# KiCad board KB-PCB-R02_KiCad.kicad_pcb (continued)
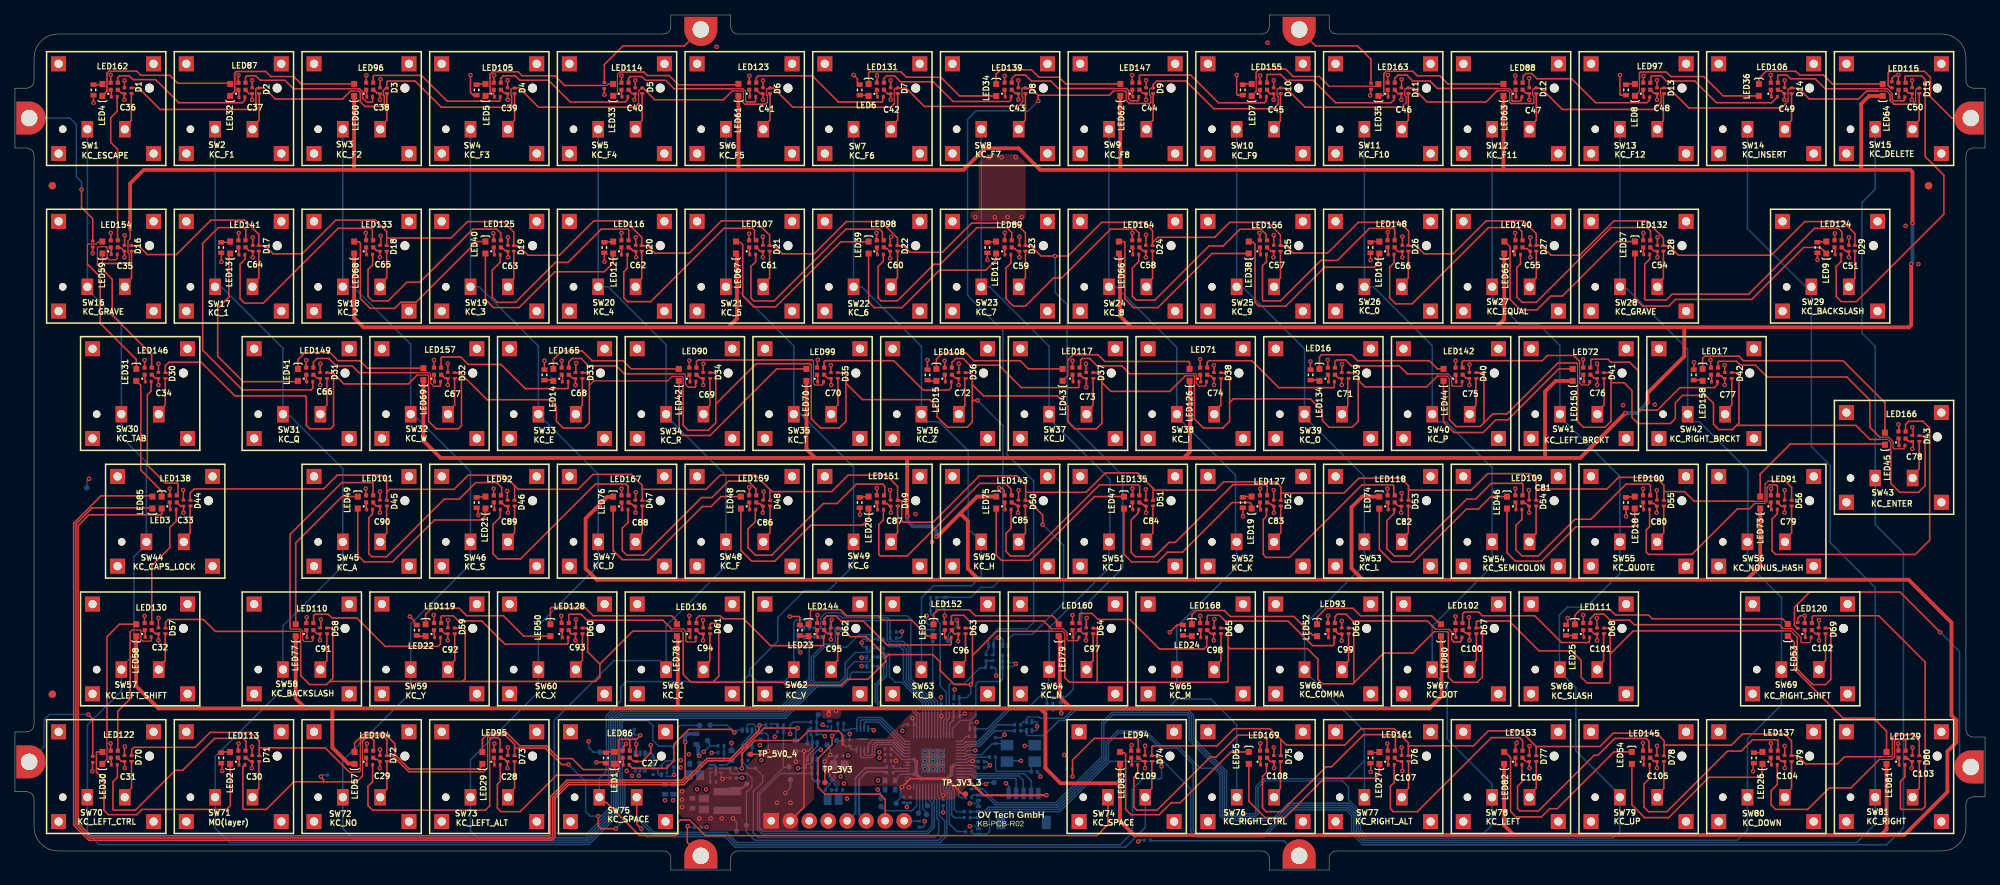
[diagram p0: board, top side]
## Routing (per net, layer and track width the routed paths; a pad name or vN(x,y) marks a point on that pad's centre or on a via; arc(x,y) is an arc through that point) (continued)
  SIG_BOTTOM w0.2: Q4.2 87.8,12.52 88.01,12.74 ; v1(150.2,3.81) 150.31,3.81 150.51,4.01 R15.1 ; 130.77,28.81 R8.1 130.76,28.78 130.85,28.87 D96.2 130.85,30.73 131.1,30.98 131.39,30.98 v1(131.47,31.05) 131.55,30.98 131.94,30.98 132.1,30.82 D99.2 ; 123.19,35.09 R7.1 ; 123.19,35.09 124.01,35.09 124.3,34.81 ; 123.19,35.09 C113.2 ; v1(140.29,15.4) 140.6,15.08 R62.1 ; v1(128.59,19.79) 128.52,19.71 127.77,19.71 127.65,19.6 D88.2 ; 132.9,10.2 132.9,11.21 v1(132.5,11.61) ; v1(130.35,14) 130.35,14.05 129.97,14.43 129.67,14.43 C8.2 ; R66.1 88.11,13.8 88.11,12.75 ; 103.63,18.21 103.63,19.38 104.04,19.79 R52.1 ; C3.2 129.62,13.73 129.97,13.73 130.24,14 ; 128.83,5.89 D94.2 ; 128.83,5.89 127.67,5.89 v1(127.66,5.87) ; 128.83,5.89 D95.2 ; R58.1 93.98,15.68 93.17,15.68 v1(93.15,15.66) ; 125.54,23.11 125.59,23.16 125.59,24.09 v1(125.64,24.14) ; 108.72,19.21 108.7,19.23 108.29,19.23 108.09,19.42 v1(107.99,19.42) ; C112.2 138.77,22.25 138.77,21.43 R6.1 139.68,21.43 139.9,21.21 ; v1(89.01,14.69) 89.01,14.71 ; v1(124.1,7.71) C7.2 ; D93.2 128.83,8.91 128.82,8.91 ; 92.42,5.68 92.45,5.71 ; R3.1 118.33,31.02 118.6,31.28 v1(118.6,31.88) ; v1(105,29.11) 105,29.21 104.64,29.58 104.64,30.82 ; v1(121.62,6.54) 121.62,5.96 121.41,5.74 R49.2 ; D86.2 104.96,32.38 104.64,32.07 104.64,30.82 ; 128.82,8.91 D92.2 ; 128.82,8.91 v1(127.66,8.91) ; v1(123.8,23.11) 123.81,23.1 123.81,22.21 C9.2 ; D87.2 122.08,32.82 121.9,33.01 v1(121.9,34.01) ; v1(97.23,12.32) 97.22,12.31 96.4,12.31 C116.2 ; 119.25,9 C6.2 ; 119.25,9 C13.2 ; 119.25,9 v1(119.25,8.44) ; v1(78.81,103.68) 78.8,103.69 78.8,103.71 ; TP_GND_2.TP 115.74,9.67 115.74,10.3 115.36,10.68 v1(115.36,10.77) ; D97.2 139.9,22.38 139.9,21.21 ; v1(131.2,26) 131.2,26.78 130.92,27.07 130.56,27.07 C114.2 ; 104.64,30.82 104.98,31.17 D101.2 ; 91.64,5.66 91.67,5.68 ; v1(108.3,17.91) 108.19,17.91 107.94,18.16 C115.2 107.17,18.16 107.13,18.2 ; R5.1 132.84,27.84 132.93,27.75 133.55,27.75 133.72,27.58 v1(133.83,27.58) 133.83,27.55 133.51,27.23 132.93,27.23 132.84,27.14 C111.2 ; v1(127,20.91) 126.89,20.91 126.73,20.75 126.35,20.75 ; v1(111.6,18.21) 111.6,18.2 C18.2 ; v1(135,16.61) 136.25,16.61 XTAL1.4 136.26,16.79 ; J_IN1.4 108.73,7.09 ; 124.3,34.81 v1(124.3,34.01) 124.22,33.93 ; 124.3,34.81 124.3,35.71 D98.2 ; C25.2 95.81,16.99 v1(95.8,17.01) ; 139.9,21.21 v1(139.9,20.96) ; TP_GND_3.TP 130.11,11.7 129.91,11.51 v1(129.8,11.51) 129.77,11.53 128.85,11.53 D91.2 ; v1(125.94,33.42) 125.94,32.66 124.79,31.52 TP_GND.TP ; D85.2 108.99,33.19 109.2,33.4 v1(109.2,33.48) ; C14.2 118.92,19.48 118.64,19.2 v1(118.64,18.6) ; v1(9.89,52.31) 9.89,52.29 9.6,52 TP_GND_1.TP ; 103.6,18.15 v1(103.64,18.19) ; U3.4 114.51,18.9 114.71,18.7 v1(114.82,18.7) ; C16.2 131.86,17.7 132.26,18.11 v1(132.3,18.11) ; D90.2 136.54,18.64 136.66,18.77 136.66,19.2 v1(136.67,19.21) 136.63,19.24 136.63,19.72 136.52,19.84 D89.2 ; 101.91,18.45 R59.1 ; 113.9,28.36 113.85,28.41 v1(113.2,28.41) ; 91.7,5.73 92.45,5.73 ; XTAL1.2 132.75,14.61 v1(134.5,14.61) ; 136.69,13.2 136.69,13.07 136.77,12.98 136.89,12.98 137.02,12.85 137.02,12.58 v1(137.1,12.51) ; v1(107.76,16.08) 107.73,16.06 107.33,16.06 106.6,15.32 106.6,14.81 U7.2 106.56,14.77 106.56,14.32 106.45,14.21 106.26,14.21 106.26,14.21 105.82,14.21 105.7,14.09 R53.1 105.65,13.66 104.75,13.66 v1(104.7,13.61) ; TP_GND_4.TP 81.83,17.88 82.43,17.88 83.03,17.27 83.03,16.88 v1(83.07,16.84) ; U1.19 127.01,15.61 127.4,16.01 v1(128.4,16.01) ; D81.2 113.87,27.27 v1(113.2,27.27) ; D84.2 113.4,30.88 113.28,30.75 113.28,30.48 v1(113.2,30.41) 113.26,30.35 113.26,30.02 113.41,29.86 113.8,29.86 113.86,29.8 113.86,29.49 ; 126.34,20.55 R4.2 C110.2 ; 117.84,31.85 118.57,31.85
  vias: v1(57.87,67.71) v1(86.91,9.34) v1(88,9.34) v1(88.12,12.74) v1(89,13.71) v1(90.1,15.48) v1(91.2,10.81) v1(92.4,10.81) v1(92.48,5.75) v1(93.82,110.08) v1(98.17,85.11) v1(99.6,16.71) v1(99.8,14.71) v1(100,84.71) v1(101.6,17.84) v1(110.4,12.51) v1(110.83,11.56) v1(111.25,9.55) v1(111.4,15.31) v1(115.4,11.98) v1(115.59,15.76) v1(115.59,15.02) v1(120.4,47.61) v1(122.62,43.89) v1(167.48,110.63) v1(168.3,84.91) v1(185.5,84.71) v1(192.61,68.11) v1(215.01,62.17) v1(219.25,62.25) v1(245.2,84.6) v1(251.83,59.61) v1(252.78,86.13) v1(253.68,59.21) v1(254.5,81.03) v2(121.67,15.71) v2(121.67,14.61) v2(121.67,13.51) v2(122.77,15.71) v2(122.77,14.61) v2(122.77,13.51) v2(123.87,15.71) v2(123.87,14.61) v2(123.87,13.51)
/USB_BOOT: length 22.4
  SIG_TOP w0.2: v1(109.25,17.93) 109.25,16.78 107.36,14.88 107.36,11.11 108.31,10.16 115.65,10.16 116.35,9.46 J_IN1.7
  SIG_BOTTOM w0.2: v1(109.25,17.93) 109.36,17.93 110.02,18.6 R11.1 ; J_IN1.7 116.35,6.78
NetC17_1: length 8.1
  SIG_BOTTOM w0.2: 136.4,14.45 XTAL1.1 135.9,14.06 135.9,13.25 135.86,13.21 131.3,13.21 131.12,13.39 R9.2
NetC22_1: length 4.9
  SIG_BOTTOM w0.3: 93.7,12.71 93.7,13.88 93.52,14.06 U5.3 ; TP_SW.TP 97.81,11.49 97.25,10.94 95.6,10.94 95.25,10.59
NetC22_2: length 1.3
  SIG_BOTTOM w0.2: 92.97,11.79 92.97,13.03 92.99,13.06 U5.1
NetC25_1: length 1.7
  SIG_BOTTOM w0.2: C25.1 95.73,14.63 95.15,14.06 U5.6
NetD1_1: length 386.1
  SIG_TOP w0.15: 117.57,102.47 117.57,104.39 117.65,104.48 117.89,104.48 117.99,104.58 ; 83.75,104.56 83.39,104.21 83.39,102.52 ; 198.2,104.21 199.64,104.21 199.86,103.99 199.86,102.68 ; 66.75,104.51 66.44,104.51 66.32,104.39 66.32,103.62 66.4,103.55 ; 146.9,104.2 148.46,104.2 148.48,104.18 ; 186.2,104.6 186.1,104.5 185.91,104.5 185.82,104.41 185.82,103.59 186,103.41 186,102.61 185.4,102.01 ; 250.7,103.7 250.22,104.18 249.02,104.18 ; 220.09,102.63 220.09,103.54 220.01,103.62 220.01,104.44 220.12,104.56 D13.1 ; 253.73,102.4 254.12,102.8 254.12,104.36 254.25,104.48 254.52,104.48 D15.1 ; 44.87,104.17 45.94,104.17 ; D8.1 134.72,104.56 134.64,104.47 134.64,103.47 134.75,103.36 134.75,102.75 134.11,102.11 ; 97.39,102.58 97.39,104.07 97.29,104.17 95.9,104.17 ; 237.49,104.5 237.18,104.5 237.07,104.39 237.07,102.8 236.7,102.43 ; 168.89,102.41 168.89,103.41 168.76,103.54 168.76,104.39 168.87,104.51 169.1,104.51 ; 100.85,104.51 100.82,104.48 100.59,104.48 100.5,104.39 100.5,103.63 100.6,103.54 100.6,102.65 ; 152.1,104.51 151.81,104.51 151.7,104.39 151.7,103.62 151.86,103.46 151.86,102.62 ; 203.08,102.62 203.08,103.46 202.92,103.62 202.92,104.39 203.04,104.51 203.35,104.51
  SIG_TOP w0.2: 136.81,103.6 146.29,103.6 146.9,104.2 ; 136.81,103.6 135.9,104.51 135.2,104.51 D8.1 ; 136.81,103.6 v1(136.81,102.85) ; 198.2,104.21 196.7,102.71 188.8,102.71 186.95,104.56 D11.1 ; 253.73,102.4 251.22,102.4 250.7,102.92 250.7,103.7 ; 237.53,104.54 237.53,104.6 ; D8.1 D8.1 ; D8.1 135.2,104.61 ; 254.55,104.56 254.55,104.56 254.55,104.51 ; D6.1 101.45,104.56 104,102.01 117.1,102.01 117.57,102.47 ; 203.08,102.62 202.97,102.51 200.03,102.51 199.86,102.68 ; D14.1 238.45,104.55 239.9,103.11 246.5,103.11 247.55,104.16 249,104.16 249.02,104.18 ; 100.6,102.65 100.36,102.41 97.57,102.41 97.39,102.58 ; 66.82,104.58 D4.1 67.4,104.61 70,102.01 82.88,102.01 83.39,102.52 ; 66.75,104.51 D4.1 ; 49.68,104.6 49.68,104.51 49.51,104.51 49.26,104.26 49.26,103.63 49.39,103.49 49.39,102.22 49.27,102.11 46.8,102.11 46.18,102.73 46.18,103.94 45.94,104.17 ; 49.71,104.7 49.71,105.39 49.83,105.51 53.5,105.51 57,102.01 66.28,102.01 66.4,102.12 66.4,103.55 ; D15.1 D15.1 ; 148.48,104.18 148.6,104.07 148.6,102.91 149,102.51 151.75,102.51 151.86,102.62 ; D5.1 83.99,104.56 85.54,103.01 94.73,103.01 95.9,104.17 ; 220.09,102.63 219.17,101.71 206.9,101.71 204.05,104.56 D12.1 ; 168.89,102.41 168.28,101.81 160.28,101.81 156.58,105.51 152.67,105.51 152.17,105.01 D9.1 152.16,104.59 152.16,104.56 152.1,104.51 ; 236.7,102.43 236.17,101.91 223.8,101.91 221.15,104.56 D13.1 ; D7.1 119.15,104.56 121.6,102.11 134.11,102.11 ; 44.87,104.17 43.8,103.11 34.8,103.11 33.3,104.61 D2.1 32.65,104.6 32.6,104.55 32.33,104.55 32.18,104.4 32.18,103.62 32.22,103.59 32.22,101.82 32.1,101.71 19.4,101.71 16.5,104.61 D1.1 15.58,104.59 ; D10.1 169.95,104.56 172.5,102.01 185.4,102.01
  SIG_BOTTOM w0.2: R162.2 129.85,29.22 130.15,29.52 130.15,30.96 131.46,32.27 135.36,32.27 136.2,33.11 136.2,52.01 132.66,55.55 132.66,66.35 132.1,66.91 132.1,72.11 127.36,76.84 127.36,100.37 128.5,101.51 135.47,101.51 v1(136.81,102.85)
NetD1_2: length 5.2
  SIG_TOP w0.2: 15.56,103.87 15.56,100.26 14.69,99.38 SW1.2
NetD2_2: length 5.1
  SIG_TOP w0.2: SW2.2 31.76,99.38 32.65,100.28 D2.2
NetD3_2: length 5.2
  SIG_TOP w0.2: 49.71,103.9 49.71,100.26 48.83,99.38 SW3.2
NetD4_2: length 5
  SIG_TOP w0.2: SW4.2 65.91,99.38 66.8,100.28 66.8,103.71
NetD5_2: length 5.1
  SIG_TOP w0.2: D5.2 83.87,100.27 82.98,99.38 SW5.2
NetD6_2: length 5.1
  SIG_TOP w0.2: SW6.2 100.05,99.38 100.95,100.28 D6.2
NetD7_2: length 5.1
  SIG_TOP w0.2: D7.2 118.02,100.27 117.13,99.38 SW7.2
NetD8_2: length 5.2
  SIG_TOP w0.2: D8.2 D8.2 135.1,100.28 134.2,99.38 SW8.2
NetD9_2: length 5.2
  SIG_TOP w0.2: D9.2 D9.2 152.17,100.28 151.27,99.38 SW9.2
NetD10_2: length 5.2
  SIG_TOP w0.2: SW10.2 168.35,99.38 169.02,100.06 169.08,100.06 169.2,100.18 169.2,103.91
NetD11_2: length 5.2
  SIG_TOP w0.2: SW11.2 185.42,99.38 186.3,100.26 D11.2 D11.2
NetD12_2: length 5
  SIG_TOP w0.2: SW12.2 202.51,99.38 203.4,100.27 203.4,103.71
NetD13_2: length 5.1
  SIG_TOP w0.2: 220.4,103.81 220.4,100.2 219.59,99.38 SW13.2
NetD14_2: length 5.1
  SIG_TOP w0.2: 237.53,103.81 237.53,100.27 236.64,99.38 SW14.2
NetD15_2: length 5.1
  SIG_TOP w0.2: D15.2 254.6,100.27 253.72,99.38 SW15.2
NetD16_1: length 354.3
  SIG_TOP w0.2: D16.1 15.61,83.51 16.5,83.51 17.7,82.31 21.6,82.31 26.2,86.91 30.7,86.91 32.6,85.01 D17.1 D17.1 33.42,83.48 34.5,82.41 38.4,82.41 42.9,86.91 48.2,86.91 49.7,85.41 49.7,84.51 ; D29.1 246,85.11 244.4,86.71 239.3,86.71 234.8,82.21 222.4,82.21 221.12,83.48 220.4,83.48 D28.1 D28.1 220.4,84.54 218.13,86.81 213.8,86.81 209.2,82.21 205.4,82.21 204.07,83.53 D27.1 203.4,85.11 201.7,86.81 196.7,86.81 192.3,82.41 188.42,82.41 187.34,83.48 D26.1 186.33,83.52 186.33,85.43 185.15,86.61 179.6,86.61 175.5,82.51 170.9,82.51 169.97,83.43 169.25,83.43 D25.1 D25.1 ; 152.1,83.91 152.8,84.61 160.4,84.61 162.4,86.61 167.52,86.61 169.2,84.93 169.2,83.66 ; 152.1,83.91 152.1,85.51 151,86.61 145.3,86.61 140.8,82.11 137.2,82.11 135.87,83.43 135.15,83.43 D23.1 D23.1 135.1,85.21 133.8,86.51 127.9,86.51 124,82.61 119.7,82.61 118.82,83.48 D22.1 ; 152.1,83.91 152.1,83.56 ; 49.7,84.51 58.3,84.51 60.5,86.71 65.3,86.71 66.7,85.31 D19.1 D19.1 66.73,83.46 67.35,83.46 68.6,82.21 72.79,82.21 77.39,86.81 81.6,86.81 83.8,84.61 D20.1 D20.1 84.58,83.48 85.57,82.49 90.14,82.49 94.46,86.81 99,86.81 100.9,84.91 D21.1 D21.1 101.52,83.48 102.6,82.41 106.85,82.41 111.15,86.71 115.81,86.71 118,84.52 D22.1 ; 49.7,84.51 49.7,83.56 ; D24.1 152.16,83.48
  SIG_BOTTOM w0.2: v1(139.08,82.09) 139.08,77.22 140.67,75.63 140.67,60.17 148.1,52.75 148.1,40.41 142.6,34.91 142.6,32.48 141.5,31.38 141.5,24.18 140.43,23.11 D97.1 139.85,23.08 138.8,23.08 R163.2 138.77,23.11
NetD16_2: length 5.1
  SIG_TOP w0.2: D16.2 15.58,79.21 14.69,78.31 SW16.2
NetD17_2: length 5.2
  SIG_TOP w0.2: SW17.2 31.76,78.31 32.6,79.15 32.6,82.81
NetD18_2: length 5.2
  SIG_TOP w0.2: 49.7,82.81 49.7,79.18 48.83,78.31 SW18.2
NetD19_2: length 5.1
  SIG_TOP w0.2: SW19.2 65.91,78.31 66.7,79.11 66.7,82.76
NetD20_2: length 5
  SIG_TOP w0.2: SW20.2 82.98,78.31 83.8,79.13 83.8,82.61
NetD21_2: length 4.9
  SIG_TOP w0.2: SW21.2 100.05,78.31 100.9,79.16 100.9,82.51
NetD22_2: length 5.2
  SIG_TOP w0.2: SW22.2 117.13,78.31 118,79.18 118,82.8
NetD23_2: length 5.1
  SIG_TOP w0.2: 135.1,82.71 135.1,79.21 134.2,78.31 SW23.2
NetD24_2: length 5.2
  SIG_TOP w0.2: SW24.2 151.27,78.31 152.1,79.14 152.1,82.81
NetD25_2: length 5.1
  SIG_TOP w0.2: SW25.2 168.35,78.31 169.2,79.16 D25.2
NetD26_2: length 5.1
  SIG_TOP w0.2: SW26.2 185.42,78.31 186.3,79.19 186.3,82.71
NetD27_2: length 5.2
  SIG_TOP w0.2: SW27.2 202.51,78.31 203.4,79.2 203.4,82.86
NetD28_2: length 5.2
  SIG_TOP w0.2: 220.4,82.86 220.4,79.12 219.59,78.31 SW28.2
NetD29_2: length 5.1
  SIG_TOP w0.2: D29.2 246,79.13 245.18,78.31 SW29.2
NetD30_1: length 461.9
  SIG_TOP w0.15: 53.79,66.2 55.21,66.2 55.3,66.11 55.3,64.76 ; 208.93,65.08 208.93,67.64 208.91,67.66 ; 106.47,64.76 106.47,67.54 ; 250.8,56.01 250.8,57.18 250.4,57.58 249.17,57.58 ; 191.79,64.61 191.79,65.72 191.46,66.04 190.18,66.04 ; 76.8,64.81 77.4,65.41 87.27,65.41 87.87,66.01 89.2,66.01 89.33,65.89 89.33,64.64 ; 157.7,64.72 157.7,66.01 157.61,66.09 156.49,66.09
  SIG_TOP w0.2: 106.47,64.76 106.47,60.34 107.7,59.11 110.2,59.11 111.1,60.01 111.1,65.11 ; 92.91,66.5 93.58,66.5 93.7,66.38 93.7,62.31 ; 196.4,59.81 197.6,61.01 199.5,61.01 206.3,67.81 208.78,67.81 208.91,67.68 208.91,67.66 ; 196.4,59.81 196.4,66.21 196.09,66.53 D40.1 D40.1 ; 196.4,59.81 195.9,59.31 192.7,59.31 191.79,60.21 191.79,64.61 ; 250.8,56.01 250.8,51.71 252,50.51 254.5,50.51 255.4,51.41 255.4,57.76 255.1,58.06 D43.1 ; 93.7,62.31 93.7,59.81 92.7,58.81 90,58.81 89.33,59.48 89.33,64.64 ; 93.7,62.31 99.1,67.71 106.3,67.71 106.47,67.54 ; 128,64.91 128,66.21 127.68,66.53 D36.1 ; 128,64.91 128,62.63 ; 128,64.91 129.5,63.41 139.39,63.41 140.8,62 140.8,59.91 141.7,59.01 144.6,59.01 145.32,59.72 145.32,65.21 ; 179.6,65.51 179.6,60.01 178.8,59.21 175.7,59.21 174.81,60.1 174.81,61.4 173.2,63.01 162.9,63.01 162.4,62.51 ; 179.6,65.51 180.5,64.61 188.74,64.61 190.18,66.04 ; 179.6,65.51 179.6,66.21 179.3,66.51 178.34,66.51 D39.1 ; 230.2,59.46 246.15,59.46 248.03,57.58 249.17,57.58 ; 230.2,59.46 229.64,58.91 227.8,58.91 227.1,59.61 227.1,62.41 226.04,63.47 222.97,63.47 222,62.5 222,60.38 221.32,59.71 217.02,59.71 216.2,60.53 216.2,64.1 215.13,65.17 213.4,65.17 ; 230.2,59.46 230.5,59.76 230.5,66.39 230.38,66.51 229.56,66.51 D42.1 ; D32.1 D32.1 59.53,66.48 59.7,66.31 ; 111.1,65.11 113.3,62.91 122.3,62.91 123.3,61.91 123.3,60.61 124.7,59.21 127.3,59.21 128,59.91 128,62.63 ; 111.1,65.11 111.1,66.33 110.95,66.48 D35.1 ; 59.7,66.31 59.7,59.41 59.3,59.01 56.3,59.01 55.3,60.01 55.3,64.76 ; 59.7,66.31 63.11,62.89 71.49,62.89 72.39,61.99 72.39,60.01 73.3,59.11 76.1,59.11 76.8,59.81 76.8,66.39 76.68,66.5 75.86,66.5 ; 128,62.63 128.18,62.81 v1(128.7,62.81) ; 213.4,65.17 213.4,66.31 213.2,66.51 212.49,66.51 D41.1 ; 213.4,65.17 213.4,60.01 212.6,59.21 209.7,59.21 208.93,59.98 208.93,65.08 ; 20.1,66.46 20.1,67.41 20.6,67.91 24.9,67.91 29.4,63.41 38.84,63.41 38.96,63.29 38.96,59.45 39.4,59.01 42.2,59.01 42.6,59.41 42.6,66.39 ; 145.32,65.21 146.52,64.01 154.4,64.01 156.49,66.09 ; 145.32,65.21 145.32,65.89 144.68,66.53 D37.1 ; 161.27,66.45 161.67,66.45 162.4,65.72 162.4,62.51 ; 162.4,62.51 162.4,60.01 161.5,59.11 158.9,59.11 157.7,60.31 157.7,64.71 ; 53.79,66.2 52.6,65.01 43.98,65.01 42.6,66.39 ; 42.6,66.39 42.51,66.48 D31.1
  SIG_BOTTOM w0.2: v1(128.7,62.81) 132.1,59.41 132.1,39.17 130.73,37.81 129.17,37.81 127.82,36.46 D98.1 ; 124.05,36.46 123.26,36.46 R164.2
NetD30_2: length 5.2
  SIG_TOP w0.2: 20.1,65.76 20.1,62.16 19.22,61.28 SW30.2
NetD31_2: length 5.2
  SIG_TOP w0.2: 41.7,65.81 41.7,62.15 40.83,61.28 SW31.2
NetD32_2: length 5.2
  SIG_TOP w0.2: 58.78,65.74 58.78,62.16 57.91,61.28 SW32.2 ; 58.7,65.66 58.7,65.71
NetD33_2: length 5.2
  SIG_TOP w0.2: 75.86,65.75 75.86,62.17 74.98,61.28 SW33.2
NetD34_2: length 5.1
  SIG_TOP w0.2: 92.91,65.7 92.91,62.14 92.05,61.28 SW34.2
NetD35_2: length 5.2
  SIG_TOP w0.2: D35.2 110.02,62.18 109.13,61.28 SW35.2
NetD36_2: length 5.2
  SIG_TOP w0.2: SW36.2 126.2,61.28 127,62.08 127,65.81
NetD37_2: length 5.2
  SIG_TOP w0.2: SW37.2 143.27,61.28 144.14,62.15 144.14,65.77
NetD38_2: length 5.2
  SIG_TOP w0.2: SW38.2 160.35,61.28 161.23,62.16 161.23,65.78
NetD39_2: length 5.1
  SIG_TOP w0.2: 178.2,65.71 178.2,62.06 177.42,61.28 SW39.2
NetD40_2: length 5.1
  SIG_TOP w0.2: 195.33,65.76 195.33,62.11 194.5,61.28 SW40.2
NetD41_2: length 5.1
  SIG_TOP w0.2: D41.2 212.47,62.18 211.57,61.28 SW41.2
NetD42_2: length 6.1
  SIG_TOP w0.2: D42.2 229.54,62.18 228.64,61.28 SW42.2 229.3,61.61
NetD43_2: length 5.3
  SIG_TOP w0.2: 254.6,57.36 254.6,53.63 253.72,52.75 SW43.2
NetD44_1: length 289.4
  SIG_TOP w0.15: 232.48,49.32 232.5,49.3 233.88,49.3 234,49.42 234,51.6 234.4,52.01
  SIG_TOP w0.2: 49.7,50.51 50.1,50.91 58.7,50.91 60.6,52.81 65.4,52.81 66.8,51.4 ; 49.7,50.51 49.7,49.51 ; 49.7,50.51 49.7,52.11 49,52.81 43.1,52.81 41.26,50.96 23.96,50.96 23.43,50.43 23.43,49.54 ; 220.46,50.61 223.21,50.61 224.49,49.32 228.54,49.32 232.48,49.32 ; 220.46,50.61 D55.1 ; 220.46,50.61 220.46,51.44 219.4,52.51 214.4,52.51 212.85,50.95 203.38,50.95 ; 203.38,50.95 203.38,52.22 202.6,53.01 196.9,53.01 194.7,50.81 186.32,50.81 ; 203.38,50.95 203.38,49.47 ; D51.1 152.17,51.04 ; 152.17,51.04 152.4,50.81 160.5,50.81 161.6,51.91 168.6,51.91 169.24,51.26 169.24,50.41 ; 152.17,51.04 150.1,53.11 145.8,53.11 143.2,50.51 135.2,50.51 ; 66.8,51.4 67.3,50.91 75.29,50.91 77.29,52.91 82.4,52.91 83.88,51.43 83.88,50.91 ; 66.8,51.4 D46.1 ; D47.1 83.88,50.91 ; 83.88,50.91 92.4,50.91 94.3,52.81 99,52.81 100.95,50.85 ; D52.1 169.24,50.41 ; 169.24,50.41 177.7,50.41 179.7,52.41 185.3,52.41 186.32,51.39 186.32,50.81 ; 100.95,50.85 101.2,50.61 109.2,50.61 111.4,52.81 116.5,52.81 118,51.31 118,49.46 118.05,49.41 118.44,49.41 118.56,49.29 118.56,46.62 118.68,46.51 122.74,46.51 128.94,52.71 133.98,52.71 135.13,51.56 135.13,49.37 135.52,49.37 137.4,47.49 v1(137.4,46.21) ; 100.95,50.85 D48.1 ; D53.1 186.32,50.81 ; 152.15,49.45 152.22,49.45 ; 234.4,52.01 236.7,52.01 237.54,51.16 237.54,49.49
  SIG_BOTTOM w0.2: v1(137.4,46.21) 140.2,43.41 140.2,35.71 136,31.51 133.44,31.51 132.87,30.94 132.87,30.12 D99.1 132.82,30.03 132.82,28.71 R165.2
NetD44_2: length 5.3
  SIG_TOP w0.2: 23.4,48.61 23.4,48.66 ; 23.43,48.74 23.43,45.06 22.57,44.21 SW44.2
NetD45_2: length 5.2
  SIG_TOP w0.2: 49.7,48.71 49.7,45.07 48.83,44.21 SW45.2
NetD46_2: length 5.2
  SIG_TOP w0.2: 66.8,48.76 66.8,45.1 65.91,44.21 SW46.2
NetD47_2: length 5.1
  SIG_TOP w0.2: SW47.2 82.98,44.21 83.88,45.11 D47.2
NetD48_2: length 5.1
  SIG_TOP w0.2: SW48.2 100.05,44.21 100.95,45.11 D48.2
NetD49_2: length 5.2
  SIG_TOP w0.2: 118,48.76 118,45.08 117.13,44.21 SW49.2
NetD50_2: length 5.4
  SIG_TOP w0.2: 134.92,48.71 134.97,48.76 135.1,48.76 ; SW50.2 134.2,44.21 134.87,44.88 134.98,44.88 135.1,45 D50.2
NetD51_2: length 5.2
  SIG_TOP w0.2: SW51.2 151.27,44.21 152.15,45.08 152.15,48.75
NetD52_2: length 5.1
  SIG_TOP w0.2: D52.2 169.24,45.11 168.35,44.21 SW52.2
NetD53_2: length 5.2
  SIG_TOP w0.2: SW53.2 185.42,44.21 186.3,45.09 186.3,48.76
NetD54_2: length 5.3
  SIG_TOP w0.2: SW54.2 202.49,44.21 203.17,44.88 203.26,44.88 203.38,45 203.38,48.72
NetD55_2: length 6.2
  SIG_TOP w0.2: 220.44,48.75 220.44,45.08 219.57,44.21 SW55.2 220.24,44.56
NetD56_2: length 5.1
  SIG_TOP w0.2: D56.2 237.54,45.11 236.64,44.21 SW56.2
NetD57_1: length 378.3
  SIG_TOP w0.15: 189.78,31.88 191.52,31.88 ; 140.35,30.62 140.35,31.65 140.07,31.93 138.63,31.93 ; 87.7,31.95 89.11,31.95 89.34,31.72 ; 38.2,30.44 38.2,31.83 38.11,31.91 35.96,31.91 ; 238.3,31.11 237.43,31.98 236.38,31.98
  SIG_TOP w0.2: 116.4,28.4 116.4,27.87 114.04,25.51 111.3,25.51 110.49,24.7 103.11,24.7 102.7,25.11 93.28,25.11 ; 116.4,28.4 116.4,28.6 113.79,31.21 111.7,31.21 110.57,32.33 110.02,32.33 110,32.36 ; 116.4,28.4 116.8,28.81 122.71,28.81 123.7,27.82 123.7,26.71 125.6,24.81 v1(127.8,24.81) 127.88,24.88 ; 59.84,25.22 60.2,25.58 60.2,32.1 59.98,32.33 D59.1 ; 59.84,25.22 77.61,25.22 78.2,25.81 78.2,27.55 ; 59.84,25.22 42.09,25.22 ; 42.09,25.22 42.5,25.63 42.5,32.26 42.38,32.38 D58.1 D58.1 ; 42.09,25.22 41.67,24.81 39.4,24.81 38.2,26.01 38.2,30.44 ; 189.78,31.88 186.91,29.02 182.99,29.02 179,25.02 ; D69.1 242.68,32.33 242.8,32.21 242.8,25.51 242.1,24.81 240.34,24.81 238.3,26.85 238.3,31.11 ; 140.35,30.62 140.35,25.75 141,25.11 144.7,25.11 ; D64.1 144.21,32.29 144.58,32.29 144.7,32.18 144.7,25.11 ; 162.2,29.85 162.2,25.22 162.08,25.11 144.7,25.11 ; 162.2,29.85 162.45,29.61 172.8,29.61 174.2,28.21 174.2,25.51 174.8,24.91 178.88,24.91 179,25.02 ; 162.2,29.85 162.2,32.01 161.88,32.33 D65.1 ; 213.3,28.91 213.3,25.12 213.18,25.01 210.2,25.01 209.4,25.81 209.4,28.01 208.1,29.31 203.78,29.31 199.78,33.31 195.51,33.31 195.39,33.19 D67.1 196.08,32.38 196.2,32.26 196.2,25.81 195.5,25.11 192.34,25.11 191.65,25.8 191.65,31.76 191.52,31.88 ; 213.3,28.91 216.37,31.98 236.38,31.98 ; 213.3,28.91 213.3,32.21 213.18,32.33 D68.1 ; 87.7,31.95 82.6,31.95 78.2,27.55 ; 179,25.02 179,32.21 178.88,32.33 D66.1 ; 93.28,25.11 90.39,25.11 89.34,26.16 89.34,31.72 ; 93.28,25.11 94.1,25.92 94.1,32.71 93.82,32.99 93.07,32.99 92.95,32.87 D61.1 ; 138.63,31.93 131.25,31.93 128.03,28.71 ; D60.1 76.45,32.33 76.57,32.21 76.57,29.18 78.2,27.55 ; 35.96,31.91 26.79,31.91 25.2,33.51 20.5,33.51 20.12,33.13 D57.1 D57.1 ; 127.83,24.93 128.03,25.13 128.03,28.71 ; 128.03,28.71 128.03,31.98 127.68,32.33 D63.1 D63.1
  SIG_BOTTOM w0.2: v1(127.8,24.81) 127.8,23.61 127.24,23.05 D100.1 126.27,23.02 126.27,22.12 R166.2
NetD57_2: length 5
  SIG_TOP w0.2: SW57.2 19.22,27.14 20.1,28.01 20.1,31.46
NetD58_2: length 5.2
  SIG_TOP w0.2: SW58.2 40.83,27.14 41.7,28 41.7,31.61
NetD59_2: length 5.2
  SIG_TOP w0.2: SW59.2 57.91,27.14 58.8,28.03 58.8,31.61
NetD60_2: length 5.2
  SIG_TOP w0.2: SW60.2 74.98,27.14 75.88,28.03 D60.2
NetD61_2: length 5.2
  SIG_TOP w0.2: 92.9,31.66 92.9,27.98 92.05,27.14 SW61.2
NetD62_2: length 5.2
  SIG_TOP w0.2: SW62.2 109.13,27.14 110,28.01 110,31.66
NetD63_2: length 4.9
  SIG_TOP w0.2: 127.09,31.36 127.09,28.03 126.2,27.14 SW63.2
NetD64_2: length 5.2
  SIG_TOP w0.2: SW64.2 143.27,27.14 144.16,28.02 144.16,31.66
NetD65_2: length 5.2
  SIG_TOP w0.2: D65.2 161.24,28.03 160.35,27.14 SW65.2
NetD66_2: length 5.2
  SIG_TOP w0.2: SW66.2 177.42,27.14 178.09,27.81 178.18,27.81 178.3,27.93 178.3,31.61
NetD67_2: length 5.1
  SIG_TOP w0.2: SW67.2 194.49,27.14 195.39,28.03 D67.2
NetD68_2: length 5.1
  SIG_TOP w0.2: 212.4,31.56 212.4,27.97 211.57,27.14 SW68.2
NetD69_2: length 5.1
  SIG_TOP w0.2: SW69.2 241.18,27.14 242.08,28.03 D69.2
NetD70_1: length 353.7
  SIG_TOP w0.15: 44.7,13.11 46,13.11 46.17,13.28 46.17,17.36 ; 251,17.69 251,15.27 250.89,15.15 249.45,15.15 ; 63.2,17.79 63.2,13.66 62.69,13.15
  SIG_TOP w0.2: 254.61,15.32 254.61,17.29 253.8,18.11 251.42,18.11 251,17.69 ; 66.8,16.31 70.9,16.31 73.1,14.11 v1(74,14.11) ; 66.8,16.31 66.8,16.81 65.6,18.01 63.42,18.01 63.2,17.79 ; 66.8,16.31 66.8,15.26 ; D72.1 49.73,17.47 49.25,17.96 46.77,17.96 46.17,17.36 ; 186.3,15.36 186.3,16.61 ; 186.3,16.61 195,16.61 197,18.61 201.3,18.61 203.39,16.52 ; 186.3,16.61 186.3,17.01 184.4,18.91 180,18.91 177.8,16.71 170,16.71 169.25,17.46 ; 32.66,16.33 32.66,17.25 31.5,18.41 26.1,18.41 24.1,16.41 15.9,16.41 15.6,16.1 15.6,15.37 15.53,15.31 ; 32.66,16.33 41.48,16.33 44.7,13.11 ; 32.66,16.33 D71.1 D71.1 ; D75.1 169.25,17.46 ; 169.25,17.46 167.8,18.91 163,18.91 160.7,16.61 152.12,16.61 152,16.49 152,15.28 152.82,15.28 153.3,14.81 v1(153.3,13.88) ; 220.46,15.38 220.5,15.42 220.5,16.71 ; 203.39,16.52 211.91,16.52 213.7,18.31 219.48,18.31 220.5,17.29 220.5,16.71 ; 203.39,16.52 203.39,15.33 ; v1(78,7.21) 78,5.9 78.37,5.54 v1(80.34,5.54) ; 220.5,16.71 229.5,16.71 231,18.21 236.6,18.21 237.53,17.28 237.53,15.3 238.3,15.3 239.4,14.21 243.68,14.21 244.62,15.15 249.45,15.15 ; 49.73,15.3 50.51,15.3 52.66,13.15 62.69,13.15
  SIG_BOTTOM w0.2: R167.2 106.18,31.17 D101.1 106.18,25.59 102.4,21.81 80.62,21.81 79.37,20.55 79.37,11.64 79.76,11.25 79.76,8.57 78.48,7.28 78.08,7.28 v1(78,7.21) 76.9,7.21 76.3,7.81 76.3,11.81 v1(74,14.11) ; v1(153.3,13.88) 153.3,12.32 153.18,12.21 150.8,12.21 149.4,10.81 149.4,5.02 147.75,3.37 96.41,3.37 95.03,4.75 85.3,4.75 83.33,6.72 81.46,6.72 80.29,5.54
NetD70_2: length 5.2
  SIG_TOP w0.2: D70.2 15.58,10.96 14.69,10.06 SW70.2
NetD71_2: length 5.1
  SIG_TOP w0.2: SW71.2 31.76,10.06 32.43,10.74 32.48,10.74 32.6,10.85 32.6,14.46
NetD72_2: length 5.2
  SIG_TOP w0.2: 49.73,14.54 49.73,10.85 49.61,10.74 49.51,10.74 48.83,10.06 SW72.2
NetD73_2: length 5.2
  SIG_TOP w0.2: 66.8,14.56 66.8,10.95 65.91,10.06 SW73.2
NetD74_2: length 84.7
  SIG_TOP w0.2: 151.8,10.41 SW74.2 151.13,10.06 152,10.93 152,14.61 ; v1(83.74,5.54) 83.13,6.15 SW75.2
  SIG_BOTTOM w0.2: v1(83.74,5.54) 83.78,5.5 83.78,5.13 84.45,4.45 94.91,4.45 96.29,3.07 148.49,3.07 151.13,5.71 151.13,10.06
NetD75_2: length 5.2
  SIG_TOP w0.2: 169.19,14.56 169.19,10.9 168.35,10.06 SW76.2
NetD76_2: length 5.1
  SIG_TOP w0.2: SW77.2 185.42,10.06 186.32,10.96 D76.2
NetD77_2: length 5.3
  SIG_TOP w0.2: 203.39,14.63 203.4,14.62 203.4,10.96 202.5,10.06 SW78.2
NetD78_2: length 5.2
  SIG_TOP w0.2: SW79.2 219.57,10.06 220.46,10.95 220.46,14.58
NetD79_2: length 5.2
  SIG_TOP w0.2: SW80.2 236.64,10.06 237.53,10.94 237.53,14.55
NetD80_2: length 5.2
  SIG_TOP w0.2: SW81.2 253.72,10.06 254.61,10.96 254.61,14.57
NetD81_1: length 225
  SIG_BOTTOM w0.2: SW1.1 SW16.1 9.69,77.66 14.22,73.12 14.22,57.89 17.57,54.54 SW44.1 17.57,43.56 15.9,41.89 15.9,28.81 14.22,27.14 SW57.1 14.22,23.93 9.69,19.39 SW70.1 9.69,4.92 11.2,3.41 76.72,3.41 81.26,7.95 81.26,11.87 80.87,12.26 80.87,19.93 81.25,20.31 103.03,20.31 107.26,24.53 110.6,24.53 111.7,25.62 111.7,26.19 111.97,26.46 114.39,26.46 114.6,26.67 D81.1 ; 115.42,27.14 115.37,27.14 115.27,27.24 114.75,27.24
